# KiCad board dsp-amplifier-x4.kicad_pcb (continued)
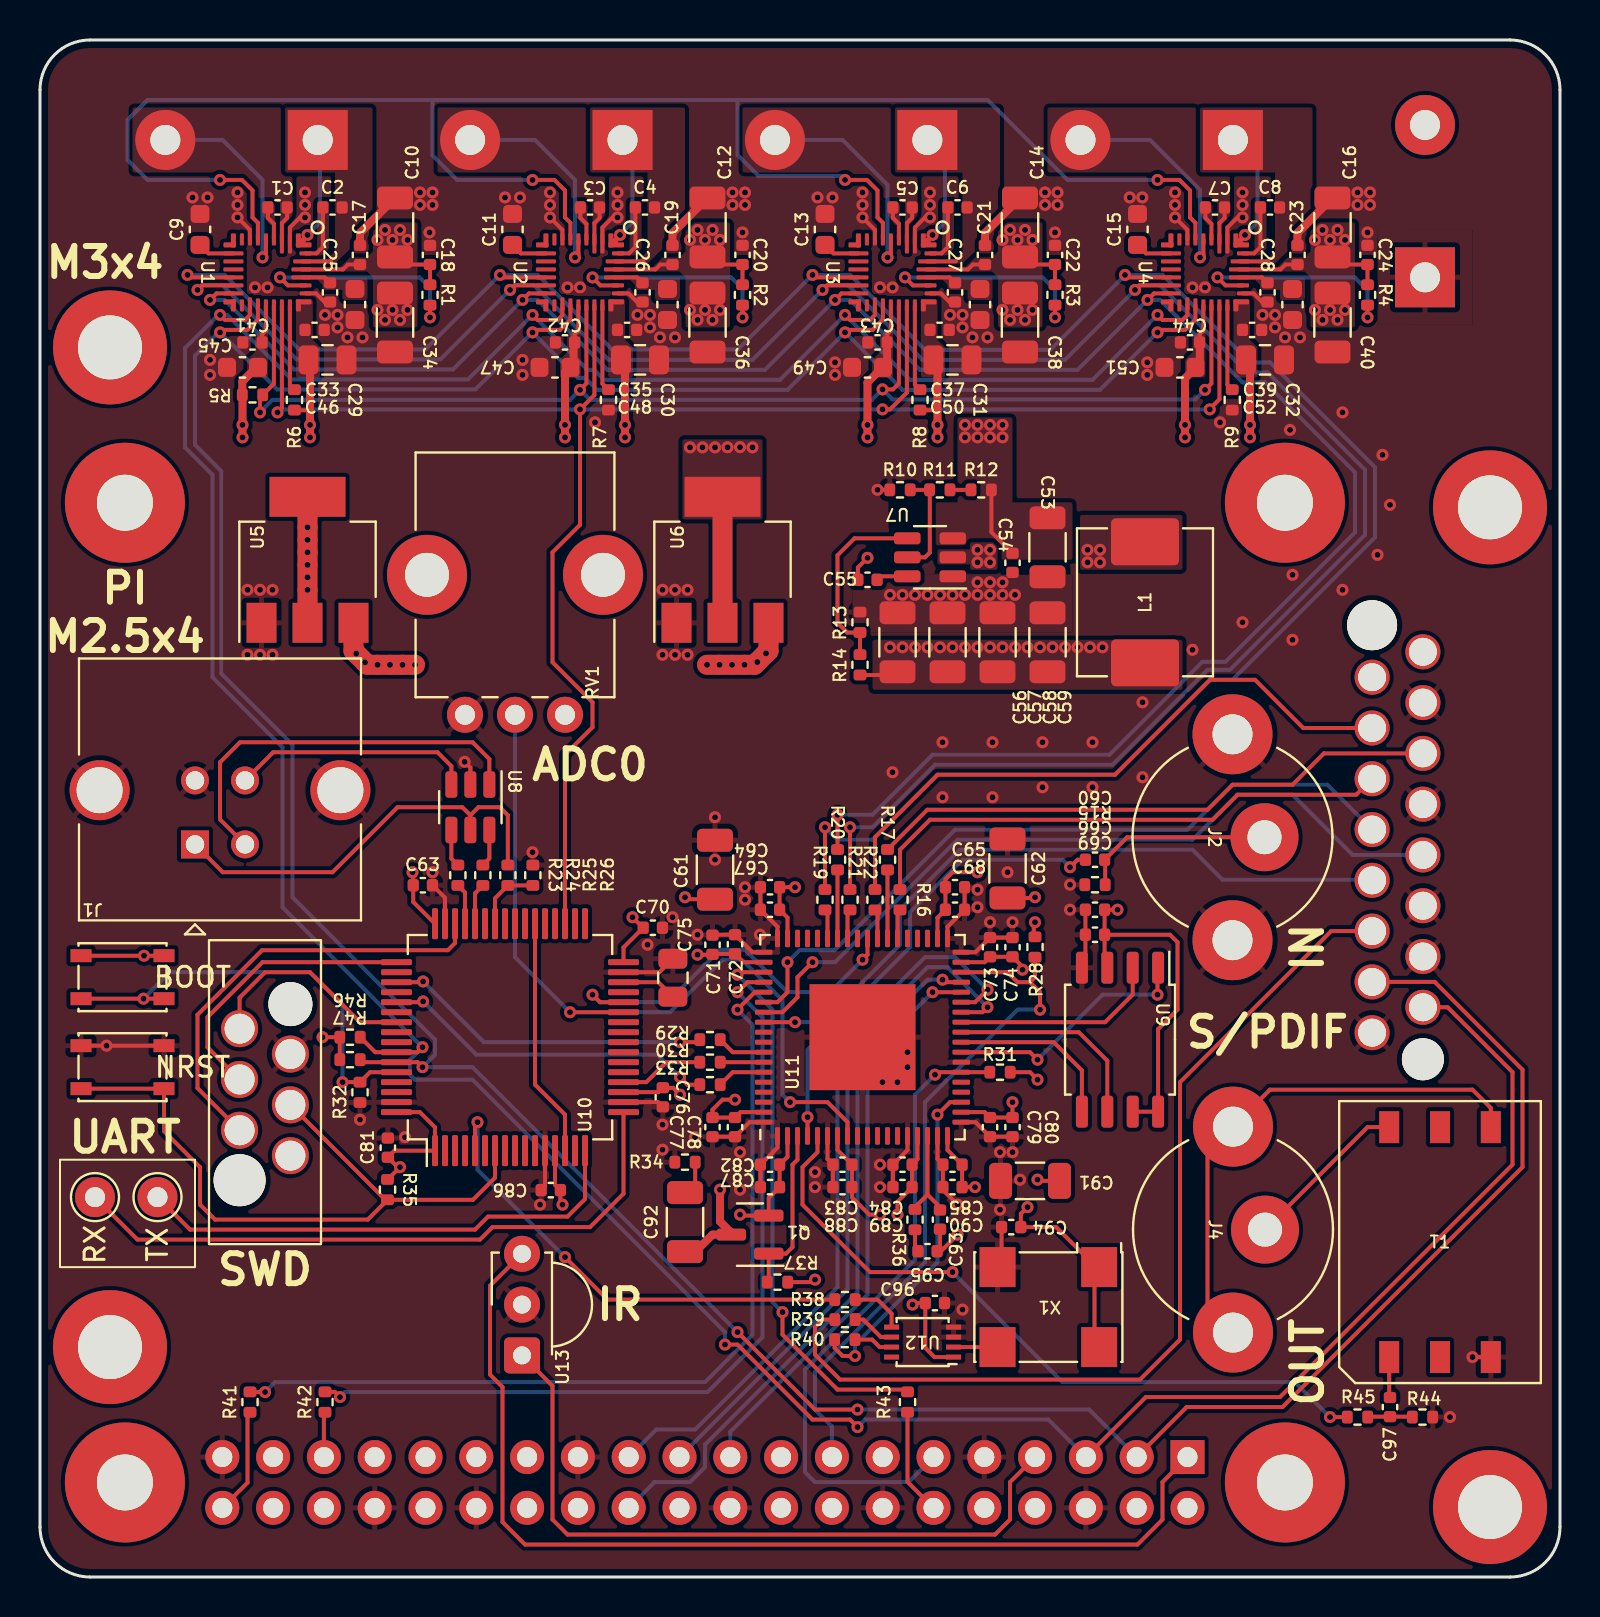
[diagram p0: board, top side]
## Nets
+1V8: C33.1 C35.1 C37.1 C39.1 C46.1 C48.1 C50.1 C52.1 R6.1 R8.1 U1.24 U2.24 U3.24 U4.24 U6.2
+3.3V: C41.1 C42.1 C43.1 C44.1 C45.1 C47.1 C49.1 C51.1 C61.1 C62.1 C63.1 C65.1 C66.1 C68.1 C69.1 C70.1 C71.1 C72.1 C76.1 C81.1 C82.1 C83.1 C84.1 C85.1 C86.1 C87.1 C88.1 C89.1 C90.1 C91.1 C93.1 C94.1 C95.1 C96.1 J3.1 J10.1 Q1.2 R5.2 R28.2 R31.2 R35.1 R37.1 R46.2 R47.2 RV1.1 SW1.2 U1.20 U2.20 U3.20 U4.20 U5.2 U9.3 U9.7 U9.8 U10.1 U10.13 U10.19 U10.32 U10.48 U10.64 U11.2 U11.7 U11.15 U11.18 U11.38 U11.56 U12.1 X1.1 X1.4
+5V: C56.1 C57.1 C58.1 C59.1 J10.2 J11.2 J11.4 L1.1 R14.1 U5.3 U6.3
/Amplifiers/I2S-AMP-2CH-A/VBAT: C28.1 C32.1 U4.27
/Amplifiers/I2S-AMP-2CH-B/VBAT: C27.1 C31.1 U3.27
/Amplifiers/I2S-AMP-2CH-C/VBAT: C26.1 C30.1 U2.27
/Amplifiers/I2S-AMP-2CH-D/VBAT: C25.1 C29.1 U1.27
/DVDD: C64.1 C67.1 C73.1 C74.1 C77.1 C78.1 C79.1 C80.1 C92.1 Q1.3 U11.20 U11.35 U11.53 U11.71
GND: C9.2 C10.2 C11.2 C12.2 C13.2 C14.2 C15.2 C16.2 C17.2 C18.1 C19.2 C20.1 C21.2 C22.1 C23.2 C24.1 C25.2 C26.2 C27.2 C28.2 C29.2 C30.2 C31.2 C32.2 C33.2 C34.2 C35.2 C36.2 C37.2 C38.2 C39.2 C40.2 C41.2 C42.2 C43.2 C44.2 C45.2 C46.2 C47.2 C48.2 C49.2 C50.2 C51.2 C52.2 C53.2 C54.2 C56.2 C57.2 C58.2 C59.2 C61.2 C62.2 C63.2 C64.2 C65.2 C66.2 C67.2 C68.2 C69.2 C70.2 C71.2 C72.2 C73.2 C74.2 C75.2 C76.2 C77.2 C78.2 C79.2 C80.2 C81.2 C82.2 C83.2 C84.2 C85.2 C86.2 C87.2 C88.2 C89.2 C90.2 C91.2 C94.2 C96.2 J1.4 J1.5 J2.2 J3.5 J9.1 J10.3 J10.7 J10.11 J10.13 J10.16 J11.6 J11.9 J11.14 J11.20 J11.25 J11.30 J11.34 J11.39 R7.1 R9.1 R10.1 R13.2 R15.2 R26.2 R32.1 R34.1 R44.2 RV1.3 SW2.1 T1.3 U1.2 U1.7 U1.25 U2.2 U2.7 U2.25 U3.2 U3.7 U3.25 U4.2 U4.7 U4.25 U5.1 U6.1 U7.1 U8.2 U9.4 U10.12 U10.18 U10.31 U10.47 U10.63 U11.1 U11.6 U11.14 U11.17 U11.19 U11.25 U11.36 U11.37 U11.54 U11.55 U11.72 U11.73 U12.3 U12.4 U13.2 X1.2
VBUS: J1.1 R25.2 U8.5
/_AMP1_BCLK: R20.2 U11.48
/_AMP1_LRCLK: R21.2 U11.47
/_AMP1_SDIN: R19.2 U11.49
/_EXT_BCLKO: R16.2 U11.42
/_EXT_LRCLKO: R17.2 U11.43
/_EXT_MDO: R22.2 U11.44
/_PI_BCLK: J11.12 R43.1
/_PI_LRCLK: J11.35 R42.1
/_PI_SDATA_O: J11.40 R41.1
/AMP1_BCLK: R20.1 U1.15 U2.15 U3.15 U4.15
/AMP1_LRCLK: R21.1 U1.14 U2.14 U3.14 U4.14
/AMP1_SDIN: R19.1 U1.13 U2.13 U3.13 U4.13
/Amplifiers/ADDRA: R9.2 U4.23
/Amplifiers/ADDRB: R8.2 U3.23
/Amplifiers/ADDRC: R7.2 U2.23
/Amplifiers/ADDRD: R6.2 U1.23
/Amplifiers/I2S-AMP-2CH-A/SKP_OUTA+: C7.1 J5.2 U4.3 U4.5
/Amplifiers/I2S-AMP-2CH-A/SKP_OUTA-: C8.2 J5.1 U4.1 U4.29
/Amplifiers/I2S-AMP-2CH-B/SKP_OUTA+: C5.1 J6.2 U3.3 U3.5
/Amplifiers/I2S-AMP-2CH-B/SKP_OUTA-: C6.2 J6.1 U3.1 U3.29
/Amplifiers/I2S-AMP-2CH-C/SKP_OUTA+: C3.1 J7.2 U2.3 U2.5
/Amplifiers/I2S-AMP-2CH-C/SKP_OUTA-: C4.2 J7.1 U2.1 U2.29
/Amplifiers/I2S-AMP-2CH-D/SKP_OUTA+: C1.1 J8.2 U1.3 U1.5
/Amplifiers/I2S-AMP-2CH-D/SKP_OUTA-: C2.2 J8.1 U1.1 U1.29
/Amplifiers/ICC: U1.6 U2.6 U3.6 U4.6
/Amplifiers/IRQZ: R5.1 U1.21 U2.21 U3.21 U4.21
/Amplifiers/NSPK_SD: U1.22 U2.22 U3.22 U4.22 U10.35
/Clock/CLK0: R38.2 U12.5
/Clock/CLK1: R39.2 U12.6
/Clock/CLK2: R40.2 U12.7
/Clock/CLK3: U12.8
/DSP_CLOCK: R40.1 U11.21
/DSP_NRESET: J11.11 R31.1 U11.24
/DSP_SELFBOOT: J11.15 R28.1 U11.34
/DSP_STATUS: U10.28 U11.45
/EEPROM_MISO: U9.2 U11.29
/EEPROM_MOSI: U9.5 U11.27
/EEPROM_NCS: U9.1 U11.26
/EEPROM_SCK: U9.6 U11.28
/EXT_BCLKI: J10.8 U11.60
/EXT_BCLKO: J10.6 R16.1
/EXT_CLOCK: J10.12 R39.1
/EXT_LRCLKI: J10.9 U11.61
/EXT_LRCLKO: J10.5 R17.1
/EXT_MDI: J10.10 U11.62
/EXT_MDO: J10.4 R22.1
/IR_INPUT: J11.7 U13.1
/MCU/BOOT0: R32.2 SW1.1 U10.60
/MCU/I2S3_SCK: R29.2 U10.51
/MCU/I2S3_SD: R33.2 U10.53
/MCU/I2S3_WS: R30.2 U10.20
/MCU/NRST: J3.3 R35.2 SW2.2 U10.7
/MCU/SWO: J3.6 U10.55
/MCU/TCK: J3.4 U10.49
/MCU/TIM2_ETR: U10.14 U10.38
/MCU/TMS: J3.2 U10.46
/MCU/USART2_RX: TP1.1 U10.17
/MCU/USART2_TX: TP2.1 U10.16
/MCU/USB_DM: R24.2 U10.44
/MCU/USB_DP: R23.2 U10.45
/MCU/USB_SOF: U10.41
/MCU/USB_VBUS: R25.1 R26.1 U10.42
/MCU_CLOCK: R38.1 U10.5
/PI_BCLK: R43.2 U11.57
/PI_LRCLK: R42.2 U11.58
/PI_MISO0: J11.21 U11.30
/PI_MOSI0: J11.19 U11.32
/PI_NCE0: J11.24 U11.33
/PI_SCL: J10.15 J11.5 R46.1 U1.18 U2.18 U3.18 U4.18 U10.58
/PI_SCLK0: J11.23 U11.31
/PI_SDA: J10.14 J11.3 R47.1 U1.19 U2.19 U3.19 U4.19 U10.59
/PI_SDATA_I: J11.38
/PI_SDATA_O: R41.2 U11.59
/Power/FB_5V0: R13.1 R14.2 U7.4
/SPDIF_IN: C60.2 U11.4
/SPDIF_OUT: R45.1 U11.5
/USB_BCLK: R29.1 U11.65
/USB_LRCLK: R30.1 U11.66
/USB_SDATA: R33.1 U11.67
/VDRIVE: Q1.1 R37.2 U11.3
/VPOT0: RV1.2 U10.27 U11.8
PI_3V3: J11.1 U13.3
VPP: C10.1 C12.1 C14.1 C16.1 C17.1 C18.2 C19.1 C20.2 C21.1 C22.2 C23.1 C24.2 C34.1 C36.1 C38.1 C40.1 C53.1 C54.1 J9.2 R1.1 R2.1 R3.1 R4.1 R12.2 U1.28 U2.28 U3.28 U4.28 U7.3
Net-(C1-Pad2): C1.2 U1.4
Net-(C2-Pad1): C2.1 U1.30
Net-(C3-Pad2): C3.2 U2.4
Net-(C4-Pad1): C4.1 U2.30
Net-(C5-Pad2): C5.2 U3.4
Net-(C6-Pad1): C6.1 U3.30
Net-(C7-Pad2): C7.2 U4.4
Net-(C8-Pad1): C8.1 U4.30
Net-(C9-Pad1): C9.1 U1.10
Net-(C11-Pad1): C11.1 U2.10
Net-(C13-Pad1): C13.1 U3.10
Net-(C15-Pad1): C15.1 U4.10
Net-(C55-Pad1): C55.1 L1.2 U7.2
Net-(C55-Pad2): C55.2 U7.6
Net-(C60-Pad1): C60.1 J2.1 R15.1
Net-(C75-Pad1): C75.1 U10.30
Net-(C92-Pad2): C92.2 R34.2
Net-(C93-Pad2): C93.2 R36.1 U11.16
Net-(C95-Pad2): C95.2 R36.2
Net-(C97-Pad1): C97.1 R44.1 R45.2
Net-(C97-Pad2): C97.2 T1.1
Net-(J1-Pad2): J1.2 U8.1
Net-(J1-Pad3): J1.3 U8.3
Net-(J4-Pad1): J4.1 T1.6
Net-(J4-Pad2): J4.2 T1.4
Net-(R1-Pad2): R1.2 U1.26
Net-(R2-Pad2): R2.2 U2.26
Net-(R3-Pad2): R3.2 U3.26
Net-(R4-Pad2): R4.2 U4.26
Net-(R10-Pad2): R10.2 R11.1 U7.5
Net-(R11-Pad2): R11.2 R12.1
Net-(R23-Pad1): R23.1 U8.4
Net-(R24-Pad1): R24.1 U8.6
Net-(U12-Pad2): U12.2 X1.3

Pads without a net: H1 1; H2 1; H3 1; H4 1; J11 8 10 13 16 17 18 22 26 27 28 29 31 32 33 36 37 41; T1 2 5; U1 8 9 11 12 16 17; U2 8 9 11 12 16 17; U3 8 9 11 12 16 17; U4 8 9 11 12 16 17; U10 2 3 4 6 8 9 10 11 15 21 22 23 24 25 26 29 33 34 36 37 39 40 43 50 52 54 56 57 61 62; U11 9 10 11 12 13 22 23 39 40 41 46 50 51 52 63 64 68 69 70

## Via types
v1: diameter 0.6, hole 0.3, Top to Bottom, 416 vias

## Routing (per net, layer and track width the routed paths; a pad name or vN(x,y) marks a point on that pad's centre or on a via; arc(x,y) is an arc through that point)
+1V8: length 22.7
  Top w0.2: 13.5,58.38 13.48,58.36 12.62,58.36 ; 44,58.36 44.85,58.36 44.88,58.38
  Top w0.4: 60.5,60.69 v1(60.5,57.62) v1(60.5,57) ; v1(13.5,57) v1(13.5,57.62) 13.5,60.69 ; v1(29.25,57) v1(29.25,57.62) 29.25,60.62 ; 44.88,60.67 v1(44.88,57.62) v1(44.88,57)
  Top w1: U6.2 U6.2
  vias: v1(32.5,56.5) v1(33.12,56.5) v1(33.75,56.5) v1(34.37,56.5) v1(35,56.51) v1(35.62,56.5)
+3.3V: length 126.3
  Top w0.2: 17.39,19.89 v1(18,20.5) 17.89,20.5 C81.1 17.72,21.33 U10.1 19.75,22.49 18.99,23.25 17.86,23.25 ; v1(14.12,27) R46.2 R47.2 ; U11.15 43.88,20.89 C84.1 C89.1 42.88,18.77 v1(42.88,18.12) ; v1(49.38,18.5) 49.04,18.17 49.04,17.5 ; v1(26.12,18.62) 26.02,18.73 C86.1 25.75,19.62 25.75,21.29 ; v1(45.88,17.12) 45.05,16.3 44.79,16.3 ; v1(49.88,24.88) 49.5,25.25 R31.2 ; R37.1 38.62,14.75 v1(38.75,14.88) ; U11.56 35.16,30.75 C72.1 33.64,31.17 ; C76.1 30.92,24.25 29.21,24.25 ; v1(42,18.12) 41.46,18.12 40.61,18.98 C88.1 C83.1 39.88,21.36 U11.7 ; U10.48 18.66,33.76 C63.1 18.66,35.21 v1(18.62,35.25) ; 52.73,15.5 52.73,11.5 ; C62.1 49.71,33.96 v1(49.75,34) ; U10.32 29.18,31.49 C70.1 ; 33.58,33.9 32.35,33.9 v1(32.25,34) ; 50.91,19.81 49.94,19.81 v1(49.88,19.88) ; SW1.2 v1(5.2,31.08) SW1.2 ; 31.16,24.47 31.66,24.47 v1(32,24.12) ; v1(49.75,32.75) 49.69,32.69 49.69,32.02 ; v1(53.88,33.38) C66.1 C69.1 ; v1(32.88,31.12) 33.61,31.12 ; C43.1 42.36,62.16 42.55,62.35 U3.20 ; v1(46.88,35.25) 45.62,35.25 45.27,34.89 C65.1 C68.1 44.88,32.98 U11.38 ; C69.1 53.23,30.61 ; C69.1 56.5,32.12 56.88,31.75 56.88,28.38 55.91,27.41 U9.8 U9.7 ; U1.20 11.3,62.35 11.1,62.16 C41.1 ; 30.15,32.47 v1(29.62,33) ; v1(35,18.12) 35.05,18.08 Q1.2 36.44,18.96 C87.1 C82.1 37.38,21.02 U11.2 ; C42.1 26.73,62.16 26.92,62.35 U2.20 ; 52.73,15.58 50.81,17.5 C94.1 ; v1(46.75,19.5) C90.1 C85.1 45.38,21.36 U11.18 ; U4.20 58.17,62.35 57.98,62.16 C44.1 ; v1(43.62,13.62) 43.7,13.7 C96.1 44.27,11.45 44.72,11 U12.1 ; C93.1 45,16.44
  Top w0.4: 57.79,60.49 57.25,59.95 v1(57.25,57.62) v1(57.25,57) ; v1(26.25,57) v1(26.25,57.62) 26.25,60.26 26.68,60.69 26.68,61.74 ; 10.8,60.49 10.12,59.8 R5.2 ; 42.36,60.69 42.36,61.74 ; v1(41.38,57) v1(41.38,57.62) 41.38,59.75 42.12,60.49 ; 57.99,60.69 57.99,61.74 ; 10.12,59.11 v1(10.12,57.62) v1(10.12,57)
  Top w1: U5.2 v1(13.38,49.38) v1(13.38,50.62) v1(13.38,51.25) v1(13.38,51.88) v1(13.38,52.5) U5.2
  vias: v1(13.38,50)
+5V: length 11.2
  Top w0.2: R14.1 42.72,45.11
  Top w1: v1(33.35,45.62) v1(33.98,45.62) v1(34.6,45.62) v1(35.23,45.62) 35.73,45.62 v1(35.86,45.76) v1(36.3,46.2) 36.42,46.33 U6.3 ; U5.3 15.68,46.33 v1(15.81,46.19) v1(16.25,45.75) 16.38,45.62 v1(16.88,45.62) v1(17.5,45.62) v1(18.12,45.62) v1(18.75,45.62)
  vias: v1(42.5,46.5) v1(43.12,46.5) v1(43.75,46.5) v1(44.38,46.5) v1(45,46.5) v1(45.62,46.5) v1(46.25,46.5) v1(46.88,46.5) v1(47.5,46.5) v1(48.12,46.5) v1(48.75,46.5) v1(49.38,46.5) v1(50,46.5) v1(50.62,46.5) v1(51.25,46.5) v1(51.88,46.5) v1(52.5,46.5) v1(53.12,46.5)
/Amplifiers/I2S-AMP-2CH-A/VBAT: length 1.5
  Top w0.2: U4.27 61.11,65 C28.1
/Amplifiers/I2S-AMP-2CH-B/VBAT: length 1.5
  Top w0.2: C27.1 45.48,65 U3.27
/Amplifiers/I2S-AMP-2CH-C/VBAT: length 1.5
  Top w0.2: C26.1 29.86,65 U2.27
/Amplifiers/I2S-AMP-2CH-D/VBAT: length 1.5
  Top w0.2: U1.27 14.23,65 C25.1
/DVDD: length 21.7
  Top w0.2: U11.35 47.23,30.75 47.5,31.02 C74.1 49.12,30.52 v1(49.12,30.38) ; v1(37.75,34.5) 36.92,34.5 ; v1(34.75,23.88) 34.12,23.88 33.62,23.38 C77.1 C78.1 35.02,23.25 U11.71 ; C64.1 C67.1 37.38,32.98 U11.53 ; Q1.3 33.5,17.12 32.65,16.28 ; v1(48.62,23.75) C80.1 47.5,22.98 47.23,23.25 U11.20
  Top w0.4: v1(34,19.38) 34,17.78 34.56,17.22 ; Q1.3 33.62,17.12 32.77,16.28
GND: length 80.1
  Top w0.2: C89.2 C84.2 43.38,21.36 U11.14 ; U11.17 44.88,20.89 C85.2 C90.2 ; U11.72 35.48,22.75 C78.2 C77.2 ; C94.2 48.08,15.94 ; C75.2 30.97,30.25 29.21,30.25 ; U1.2 12.5,67.5 13,68 v1(13.25,68) ; v1(60.12,68) 59.88,68 59.37,67.5 U4.2 ; C74.2 C73.2 46.77,31.25 U11.36 ; U11.6 39.38,20.89 C83.2 C88.2 ; 33.64,32.12 C72.2 35.62,31.25 U11.55 ; 29.21,23.75 30.91,23.75 C76.2 ; SW2.1 v1(3.33,26.58) SW2.1 ; U11.1 36.88,21.48 C82.2 C87.2 ; U1.7 10.5,67.38 v1(9.88,68) ; C25.2 14.23,63.77 13.8,64.2 U1.25 ; C86.2 25.25,19.54 25.25,21.29 ; 52.27,30.65 C69.2 C66.2 ; v1(28.88,68) 28.62,68 28.12,67.5 U2.2 ; R10.1 v1(41.88,54.38) ; U3.25 45.05,64.2 45.48,63.77 C27.2 ; C65.2 C68.2 45.38,32.52 U11.37 ; v1(21.23,40.77) 21.52,40.48 21.52,39.61 ; C63.2 20.25,33.97 20.25,32.71 ; U11.19 46.77,22.75 C79.2 C80.2 ; C26.2 29.86,63.77 29.43,64.2 U2.25 ; U2.7 26.12,67.38 v1(25.5,68) ; T1.3 v1(71.62,11) ; U4.25 60.67,64.2 61.11,63.77 C28.2 ; U3.7 41.75,67.38 v1(41.12,68) ; C64.2 C67.2 36.88,32.52 U11.54 ; v1(45.88,18.62) 45.15,19.36 ; U3.2 43.75,67.5 44.25,68 v1(44.5,68) ; v1(56.75,68) 57.37,67.38 U4.7
  Top w0.4: C14.2 47.25,67.22 47.25,66.61 ; C10.2 16,67.22 C17.2 ; C16.2 62.88,67.22 C23.2 ; C12.2 31.62,67.22 C19.2
  vias: v1(7.62,69) v1(8.38,69) v1(8.5,60.88) v1(8.5,60.12) v1(9.88,69.25) v1(9.88,68.62) v1(10.38,49.38) v1(10.38,46.12) v1(10.75,64.5) v1(11,49.38) v1(11,46.12) v1(11.38,64.5) v1(11.62,49.38) v1(11.62,46.12) v1(13.25,69.25) v1(13.25,68.62) v1(14.25,63.12) v1(14.88,63.12) v1(14.88,62.5) v1(15.38,62) v1(16,22.88) v1(16.12,62) v1(18.25,22) v1(19,69.25) v1(19,68.62) v1(19.47,67.25) v1(19.62,69.25) v1(19.62,68.62) v1(19.62,35.25) v1(23.25,69) v1(24,69) v1(24.12,60.88) v1(24.12,60.12) v1(24.62,36.25) v1(25,18.62) v1(25.5,69.25) v1(25.5,68.62) v1(26.38,64.5) v1(27,64.5) v1(27.75,57.75) v1(28.88,69.25) v1(28.88,68.62) v1(29.88,63.12) v1(30.38,31.62) v1(30.5,63.12) v1(30.5,62.5) v1(31,62) v1(31.12,49.38) v1(31.12,46.12) v1(31.12,22.62) v1(31.12,21.38) v1(31.62,33) v1(31.75,62) v1(31.75,49.38) v1(31.75,46.12) v1(32.38,49.38) v1(32.38,46.12) v1(32.75,22) v1(32.88,32.12) v1(33.75,38) v1(33.75,35.88) v1(34.62,69.25) v1(34.62,68.62) v1(35,21.25) v1(35,19.38) v1(35.12,67.25) v1(35.25,69.25) v1(35.25,68.62) v1(35.25,34.5) v1(35.25,33.88) v1(36,32.12) v1(38.75,20.25) v1(38.75,19.5) v1(38.88,69) v1(39.62,69) v1(39.75,60.75) v1(39.75,60.12) v1(41.12,69.25) v1(41.12,68.62) v1(42,64.5) v1(42,20.62) v1(42,19.5) v1(42.12,24.75) v1(42.5,49.12) v1(42.62,64.5) v1(42.62,40.25) v1(42.88,24.75) v1(43.12,49.12) v1(43.38,26.25) v1(43.38,25.5) v1(43.75,49.12) v1(44.38,49.12) v1(44.5,69.25) v1(44.5,68.62) v1(45,49.12) v1(45.12,41.75) v1(45.12,39) v1(45.5,63.12) v1(45.62,49.12) v1(46.12,63.12) v1(46.12,62.5) v1(46.12,13.38) v1(46.25,49.12) v1(46.62,62) v1(46.88,49.75) v1(46.88,49.12) v1(46.88,34.38) v1(46.88,33.5) v1(47.38,62) v1(47.5,49.75) v1(47.5,49.12) v1(47.5,32.75) v1(47.62,41.75) v1(47.62,39) v1(48,21.25) v1(48,18.38) v1(48.12,49.75) v1(48.12,49.12) v1(48.38,35.25) v1(48.62,32.75) v1(48.62,21.25) v1(48.75,49.12) v1(49,19.88) v1(50.12,41.75) v1(50.12,39.5) v1(50.25,69.25) v1(50.25,68.62) v1(50.75,67.25) v1(50.88,69.25) v1(50.88,68.62) v1(51.5,34.62) v1(51.5,33.38) v1(52.62,41.75) v1(52.62,39.5) v1(54.49,69) v1(55.11,69) v1(55.12,43.75) v1(55.12,40) v1(55.36,60.75) v1(55.36,60.12) v1(56.75,69.25) v1(56.75,68.62) v1(57.62,64.5) v1(57.62,46.38) v1(58.25,64.5) v1(59,57.75) v1(60.12,69.25) v1(60.12,68.62) v1(60.12,47.75) v1(61.12,63.12) v1(61.75,63.12) v1(61.75,62.5) v1(62.25,62) v1(62.5,57.38) v1(62.62,50.12) v1(62.62,46.88) v1(63,62) v1(65.12,58.25) v1(65.12,49.38) v1(65.88,69.25) v1(65.88,68.62) v1(66.38,67.25) v1(66.5,69.25) v1(66.5,68.62) v1(66.88,51.12) v1(67.12,56.12) v1(67.5,53.62) v1(70.5,8)
VBUS: length 21.3
  Top w0.2: J1.1 9.14,35.25 14.62,35.25 17.88,38.5 21.12,38.5 21.52,38.1 ; R25.2 23.39,38.1 22.99,38.5 21.92,38.5 21.52,38.1 ; 21.52,38.1 21.52,37.34
/_AMP1_BCLK: length 3.4
  Top w0.2: U11.48 R20.2
/_AMP1_LRCLK: length 1.3
  Top w0.2: U11.47 40.38,33.24
/_AMP1_SDIN: length 1.3
  Top w0.2: U11.49 39.38,33.24
/_EXT_BCLKO: length 1.3
  Top w0.2: U11.42 42.88,33.24
/_EXT_LRCLKO: length 3.4
  Top w0.2: R17.2 U11.43
/_EXT_MDO: length 1.3
  Top w0.2: U11.44 41.88,33.24
/_PI_BCLK: length 5.3
  Top w0.2: R43.1 43.38,4.76 44.67,3.46
/_PI_LRCLK: length 2.2
  Top w0.2: 14.2,8.19 J11.35
/_PI_SDATA_O: length 5.2
  Top w0.2: 10.38,8.11 10.38,4.72 9.12,3.46
/AMP1_BCLK: length 111.2
  Top w0.2: v1(24.12,63.88) 24.45,64.2 U2.15 ; v1(8.5,63.88) 8.83,64.2 U1.15 ; R20.1 v1(39.88,38.12) ; U4.15 55.7,64.2 v1(55.38,63.88) ; v1(39.75,63.88) 40.08,64.2 U3.15
  Bottom w0.2: 51.89,60.38 44,60.38 40.5,63.88 v1(39.75,63.88) 36.25,60.38 28.38,60.38 24.88,63.88 v1(24.12,63.88) 20.65,60.4 12.73,60.4 ; 12.7,60.4 9.22,63.88 v1(8.5,63.88) ; v1(39.88,38.12) 41.62,38.12 44.62,41.12 53.47,41.12 58.12,45.78 59.27,45.78 65.75,52.25 65.75,55.25 61.25,59.75 60.12,59.75 56,63.88 v1(55.38,63.88) 51.88,60.38
/AMP1_LRCLK: length 117.3
  Top w0.2: U2.14 23.73,64.6 v1(23.5,64.38) ; R21.1 v1(40.5,37.5) ; U4.14 54.98,64.6 v1(54.75,64.38) ; U3.14 39.35,64.6 v1(39.12,64.38) ; U1.14 8.1,64.6 v1(7.88,64.38)
  Bottom w0.2: v1(40.5,37.5) 41.62,37.5 44.75,40.62 53.62,40.62 58.38,45.38 59.5,45.38 66.25,52.12 66.25,55.38 61.38,60.25 60.35,60.25 55.97,64.62 55,64.62 v1(54.75,64.38) 51.25,60.88 44.12,60.88 40.38,64.62 39.38,64.62 v1(39.12,64.38) 35.62,60.88 28.44,60.88 24.69,64.62 23.75,64.62 v1(23.5,64.38) 20.02,60.9 12.82,60.9 9.1,64.62 8.12,64.62 v1(7.88,64.38)
/AMP1_SDIN: length 122.7
  Top w0.2: v1(39.25,37.5) R19.1 ; v1(23,65.12) 23.12,65 U2.13 ; v1(54.25,65.12) 54.38,65 U4.13 ; v1(7.38,65.12) 7.5,65 U1.13 ; U3.13 38.75,65 v1(38.62,65.12)
  Bottom w0.2: v1(39.25,37.5) 39.88,36.88 41.62,36.88 44.88,40.12 53.75,40.12 58.5,44.88 59.62,44.88 66.75,52 66.75,55.5 61.5,60.75 60.5,60.75 56.12,65.12 v1(54.25,65.12) 54.25,65.11 50.51,61.38 44.25,61.38 40.5,65.12 v1(38.62,65.12) 34.9,61.4 28.6,61.4 24.88,65.12 v1(23,65.12) 19.27,61.4 12.95,61.4 9.22,65.12 v1(7.38,65.12)
/Amplifiers/ADDRA: length 4.3
  Top w0.2: R9.2 59.37,59.63 U4.23
/Amplifiers/ADDRB: length 4.3
  Top w0.2: R8.2 43.75,59.64 U3.23
/Amplifiers/ADDRC: length 4.3
  Top w0.2: U2.23 28.12,59.69 R7.2
/Amplifiers/ADDRD: length 4.3
  Top w0.2: U1.23 12.5,59.61 R6.2
/Amplifiers/I2S-AMP-2CH-A/SKP_OUTA+: length 13.3
  Top w0.2: C7.1 59.23,67.98 58.97,67.72 U4.3 ; U4.5 58.17,66.17 v1(58,66)
  Bottom w0.2: J5.2 55.5,71.88 58,69.38 v1(58,66)
/Amplifiers/I2S-AMP-2CH-A/SKP_OUTA-: length 6.1
  Top w0.2: U4.29 61.42,65.8 ; U4.1 59.98,66.85 v1(60.25,67.12) ; 60.06,66.94 U4.1
  Bottom w0.2: 60.88,70.64 60.88,67.75 v1(60.25,67.12)
/Amplifiers/I2S-AMP-2CH-B/SKP_OUTA+: length 13.1
  Top w0.2: v1(42.38,66) 42.55,66.17 U3.5 ; C5.1 43.61,67.98 43.35,67.72 U3.3
  Bottom w0.2: J6.2 40.12,71.88 42.38,69.62 v1(42.38,66)
/Amplifiers/I2S-AMP-2CH-B/SKP_OUTA-: length 6.4
  Top w0.2: U3.29 45.8,65.8 ; 44.44,66.94 U3.1 ; U3.1 44.35,66.85 v1(44.62,67.12)
  Bottom w0.2: v1(44.62,67.12) 45.25,67.75 45.25,70.99
/Amplifiers/I2S-AMP-2CH-C/SKP_OUTA+: length 12.8
  Top w0.2: U2.3 27.72,67.72 27.98,67.98 C3.1 ; U2.5 26.92,66.17 v1(26.75,66)
  Bottom w0.2: v1(26.75,66) 26.75,69.88 24.75,71.88 J7.2
/Amplifiers/I2S-AMP-2CH-C/SKP_OUTA-: length 6.8
  Top w0.2: U2.29 30.18,65.8 ; v1(29,67.12) 28.73,66.85 U2.1 ; 28.81,66.94 U2.1
  Bottom w0.2: v1(29,67.12) 29.62,67.75 29.62,71.38
/Amplifiers/I2S-AMP-2CH-D/SKP_OUTA+: length 12.4
  Top w0.2: U1.3 12.1,67.72 12.35,67.98 C1.1 ; U1.5 11.3,66.17 v1(11.12,66)
  Bottom w0.2: J8.2 9.12,71.88 11.12,69.88 v1(11.12,66)
/Amplifiers/I2S-AMP-2CH-D/SKP_OUTA-: length 7.2
  Top w0.2: 13.19,66.94 U1.1 ; U1.29 14.55,65.8 ; U1.1 13.1,66.85 v1(13.38,67.12)
  Bottom w0.2: 14,71.76 14,67.75 v1(13.38,67.12)
/Amplifiers/ICC: length 95.1
  Top w0.2: v1(24.62,69.88) 25.72,69.88 26.25,69.35 26.25,68 26.52,67.73 U2.6 ; U3.6 42.15,67.73 41.88,68 41.88,69.35 41.35,69.88 v1(40.25,69.88) ; U1.6 10.9,67.73 10.62,68 10.62,69.35 10.1,69.88 v1(9,69.88) ; U4.6 57.77,67.73 57.5,68 57.5,69.35 56.97,69.88 v1(55.88,69.88)
  Bottom w0.2: v1(9,69.88) 5.38,69.88 4.38,70.88 4.38,72.88 5.38,73.88 34.88,73.88 ; v1(40.25,69.88) 40.05,70.08 35.92,70.08 34.88,71.12 34.88,73.88 ; v1(24.62,69.88) 20.86,69.88 19.62,71.11 19.62,73.88 ; v1(55.88,69.88) 51.38,69.88 47.38,73.88 34.88,73.88
/Amplifiers/IRQZ: length 67.8
  Top w0.2: U3.21 42.95,59.7 42.65,59.4 v1(42.12,59.4) ; v1(11,58.25) 11,58.99 11.7,59.69 U1.21 ; U4.21 58.57,59.7 v1(58.25,59.38) ; v1(27,59.38) 27.32,59.7 U2.21
  Bottom w0.2: 57.79,58.9 42.62,58.9 v1(42.12,59.4) 41.6,58.88 27.5,58.88 v1(27,59.38) 26.5,58.88 11.62,58.88 v1(11,58.25) ; 57.77,58.9 v1(58.25,59.38)
/Amplifiers/NSPK_SD: length 96.8
  Top w0.2: v1(42.12,58.4) 42.5,58.4 43.35,59.25 U3.22 ; U1.22 12.1,58.47 v1(11.88,58.25) ; U2.22 27.72,59.12 v1(27,58.4) 27,52.62 25.62,51.25 25.62,45.75 27.62,43.75 27.62,42.5 26.25,41.12 U10.35 ; U4.22 58.97,58.9 58.49,58.42 v1(58.49,58.4)
  Bottom w0.2: 12.02,58.4 v1(11.88,58.25) ; 11.9,58.4 v1(27,58.4) v1(42.12,58.4) 58.5,58.4 ; 11.97,58.4 12,58.38
/Clock/CLK0: length 2.8
  Top w0.2: U12.5 42.58,13.17 41.88,13.88 R38.2
/Clock/CLK1: length 2.2
  Top w0.2: U12.6 42.05,12 41.17,12.88 R39.2
/Clock/CLK2: length 2
  Top w0.2: R40.2 41.61,11.88 41.98,11.5 U12.7
/DSP_CLOCK: length 16.8
  Top w0.2: v1(44.88,23.12) 45.5,23.75 46,23.75 ; v1(40.75,11.06) 40.13,11.06 39.73,11.46 R40.1
  Bottom w0.2: v1(44.88,23.12) 44.88,15.75 40.75,11.62 v1(40.75,11.06)
/DSP_NRESET: length 32.5
  Top w0.2: R31.1 U11.24 44.88,25.25 v1(44.75,25.12)
  Bottom w0.2: v1(44.75,25.12) 43.75,24.12 43.75,15.88 38.25,10.38 38.25,5.25 38.75,4.75 43.42,4.75 J11.11
/DSP_SELFBOOT: length 34.6
  Top w0.2: R28.1 49.75,30 49.5,29.75 ; 49.5,29.75 50,29.25 v1(50,28.38) ; 49.5,29.75 48.88,29.75 48.38,30.25 U11.34
  Bottom w0.2: J11.15 39.59,7.53 38.75,8.38 38.75,10.25 44.25,15.75 44.25,23.75 48.88,28.38 v1(50,28.38)
/DSP_STATUS: length 19.2
  Top w0.2: v1(27.62,29.12) 28,28.75 U10.28 ; v1(41.12,30.88) 41.38,31.12 U11.45
  Bottom w0.2: v1(27.62,29.12) 28,28.75 31.38,28.75 34,31.38 35.25,31.38 37.38,29.25 39.5,29.25 v1(41.12,30.88)
/EEPROM_MISO: length 10.5
  Top w0.2: U9.2 54.63,29.14 53.25,27.75 U11.29
/EEPROM_MOSI: length 8.7
  Top w0.2: U9.5 52.09,25.34 50.69,26.75 46,26.75
/EEPROM_NCS: length 12.6
  Top w0.2: U11.26 49.5,26.25 v1(49.88,25.88) ; v1(55.88,29.12) 55.88,30.44
  Bottom w0.2: v1(55.88,29.12) 53.12,29.12 v1(49.88,25.88)
/EEPROM_SCK: length 10.4
  Top w0.2: U11.28 51.94,27.25 53.37,25.82 U9.6
/EXT_BCLKI: length 36.7
  Top w0.2: v1(37.38,30.75) 37.38,29.25 36.88,28.75 U11.60
  Bottom w0.2: v1(37.38,30.75) 37.98,31.35 39.73,31.35 45.75,37.38 57.38,37.38 59.62,39.62 64.36,39.62 J10.8
/EXT_BCLKO: length 27.1
  Top w0.2: R16.1 43,36.38 44.5,37.88 58.62,37.88 59.88,39.12 65.81,39.12 J10.6
/EXT_CLOCK: length 47.7
  Top w0.2: R39.1 39.12,12.88 38.75,12.5 38.75,11.12 40,9.88 55,9.88 57,11.88 57,24.75 64.56,32.31 J10.12
/EXT_LRCLKI: length 39.3
  Top w0.2: U11.61 37.12,28.25 37.88,29 37.88,30 v1(38.62,30.75)
  Bottom w0.2: v1(38.62,30.75) 39.75,30.75 45.88,36.88 57.62,36.88 59.88,39.12 62.62,39.12 65.64,36.11 J10.9
/EXT_LRCLKO: length 28.8
  Top w0.2: R17.1 44.37,38.38 58.38,38.38 59.62,39.62 62.62,39.62 64.19,41.19 J10.5
/EXT_MDI: length 35.7
  Top w0.2: v1(37.75,27.75) 36.12,27.75
  Bottom w0.2: v1(37.75,27.75) 39.12,27.75 43,31.62 43,33.38 46,36.38 57.62,36.38 59.12,34.88 66.58,34.88
/EXT_MDO: length 31.7
  Top w0.2: J10.4 63.16,42.47 60.75,44.88 58.5,44.88 53.75,40.12 44.88,40.12 41.75,37 R22.1
/IR_INPUT: length 36
  Top w0.2: J11.7 48.5,4.75 48.5,2.88 47.75,2.12 26.38,2.12 25.62,2.88 25.62,9.56 U13.1
/MCU/BOOT0: length 22.1
  Top w0.2: U10.60 16.5,25.25 R32.2 v1(15.12,24.75) ; SW1.1 v1(5.17,28.92) SW1.1
  Bottom w0.2: v1(15.12,24.75) 15.12,28.62 13.5,30.25 6.5,30.25 v1(5.17,28.92)
/MCU/I2S3_SCK: length 16.3
  Top w0.2: 17.86,29.75 19.12,29.75 v1(19.16,29.79) ; v1(32,26.75) 32.87,26.75
  Bottom w0.2: v1(19.16,29.79) 22.19,26.75 v1(32,26.75)
/MCU/I2S3_SD: length 16.9
  Top w0.2: v1(32,25) 32.38,24.62 R33.2 ; v1(19.16,28.79) 19.12,28.75 17.86,28.75
  Bottom w0.2: v1(19.16,28.79) 21.82,26.12 30.88,26.12 v1(32,25)
/MCU/I2S3_WS: length 4.2
  Top w0.2: 29.21,24.75 30.31,24.75 31.31,25.75 R30.2
/MCU/NRST: length 34.7
  Top w0.2: 22.75,21.29 22.75,19.97 21.65,18.86 R35.2 16.39,17.88 8.75,17.88 8,18.62 8,20.5 6.2,22.3 SW2.2 SW2.2 ; 17.27,18.86 J3.3
/MCU/SWO: length 11
  Top w0.2: J3.6 9.98,28.98 11.25,30.25 13.5,30.25 16,27.75 17.86,27.75
/MCU/TCK: length 14.4
  Top w0.2: J3.4 8.38,26.49 8.38,28 11.12,30.75 17.86,30.75
/MCU/TIM2_ETR: length 12
  Top w0.2: U10.14 26.25,23.12 24.75,24.62 U10.38
/MCU/TMS: length 22
  Top w0.2: U10.46 20.75,31.71 20.39,31.35 11.1,31.35 7.88,28.12 7.88,24.45 J3.2
/MCU/USART2_RX: length 32.3
  Top w0.2: U10.17 29.18,19.17 27.5,17.5 22.62,17.5 22,16.88 4.88,16.88 TP1.1
/MCU/USART2_TX: length 25.1
  Top w0.2: 27.25,21.29 27.25,18.9 26.37,18.03 22.4,18.03 21.75,17.38 7.5,17.38 TP2.1
/MCU/USB_DM: length 2
  Top w0.2: R24.2 21.75,34.2 21.75,32.71
/MCU/USB_DP: length 2
  Top w0.2: R23.2 21.25,34.23 21.25,32.71
/MCU/USB_VBUS: length 3.4
  Top w0.2: 22.75,32.71 22.75,33.95 R25.1 R26.1
/MCU_CLOCK: length 24.4
  Top w0.2: R38.1 28.38,13.88 v1(26.25,16) ; 21.75,21.36 21.75,22.62 v1(21.88,22.75)
  Bottom w0.2: v1(21.88,22.75) 21.88,20.38 v1(26.25,16)
/PI_BCLK: length 27.5
  Top w0.2: v1(37.12,13.25) 37.12,12.12 39.88,9.38 43.26,9.38 ; v1(34.88,30.12) 35,30.25 36.12,30.25
  Bottom w0.2: v1(34.88,30.12) 36.62,28.38 36.62,13.75 v1(37.12,13.25)
/PI_LRCLK: length 42.5
  Top w0.2: R42.2 14.74,9.26 v1(15,9) ; v1(34.88,29.25) 35.38,29.75 36.12,29.75
  Bottom w0.2: v1(15,9) 15.25,9.25 33.38,9.25 36.12,12 36.12,28 v1(34.88,29.25)
/PI_MISO0: length 34.9
  Top w0.2: U11.30 47.12,28.25 v1(47.38,28.5)
  Bottom w0.2: J11.21 40.38,14.4 40.38,26.5 44.38,30.5 45.38,30.5 v1(47.38,28.5)
/PI_MOSI0: length 28.8
  Top w0.2: v1(44.62,29.25) 46,29.25
  Bottom w0.2: J11.19 34.52,7.27 41.38,14.12 41.38,26 v1(44.62,29.25)
/PI_NCE0: length 35.3
  Top w0.2: 46,29.75 45.25,29.75 v1(45.12,29.88)
  Bottom w0.2: 29.43,3.46 30.73,4.75 32.5,4.75 33.25,5.5 33.25,6.62 40.88,14.25 40.88,26.38 44.38,29.88 v1(45.12,29.88)
/PI_SCL: length 191.4
  Top w0.2: v1(55.88,63.12) 56.12,62.88 57.12,62.88 57.37,63.12 U4.18 ; J10.15 70.38,28.5 73.62,25.25 73.62,20.62 62,9 55.3,9 J11.5 ; R46.1 16.76,26.25 U10.58 ; v1(34.25,11.62) 34.88,11.62 38.62,7.88 40.5,7.88 v1(40.88,7.5) ; U1.18 10.5,63.12 10.25,62.88 9.25,62.88 v1(9,63.12) ; U2.18 26.12,63.12 25.88,62.88 24.88,62.88 v1(24.62,63.12) ; v1(40.25,63.12) 40.5,62.88 41.5,62.88 41.75,63.12 U3.18 ; 17.86,26.25 18.88,26.25 v1(19.12,26.5)
  Bottom w0.2: J11.5 50.42,7.88 41.25,7.88 v1(40.88,7.5) ; v1(55.88,63.12) 52.62,59.88 ; v1(34.25,11.62) 34.25,12.25 21.62,24.88 18.75,24.88 18.5,25.12 18.5,25.88 v1(19.12,26.5) 12.12,33.5 12.12,41.5 8.62,45 8.62,55.12 7.25,56.5 7.25,61.46 8.9,63.11 ; 12.57,59.9 9.35,63.12 v1(9,63.12) ; 12.6,59.9 21.4,59.9 v1(24.62,63.12) 27.38,60.38 27.71,60.38 28.21,59.88 37,59.88 v1(40.25,63.12) 43.5,59.88 52.64,59.88
/PI_SCLK0: length 37.6
  Top w0.2: v1(47.38,29.38) 46.75,28.75 U11.31
  Bottom w0.2: J11.23 30.81,7.38 32.75,7.38 39.88,14.5 39.88,26.62 44.25,31 45.75,31 v1(47.38,29.38)
/PI_SDA: length 194.4
  Top w0.2: U10.59 16.14,25.75 ; J10.14 69.73,29.77 74.12,25.38 74.12,20.5 62.12,8.5 57.34,8.5 J11.3 ; U3.19 42.15,62.9 41.62,62.38 40.38,62.38 v1(40.25,62.25) ; v1(24.62,62.25) 24.75,62.38 26,62.38 26.52,62.9 U2.19 ; v1(19.12,25.5) 18.88,25.75 17.86,25.75 ; v1(40.88,8.38) 38.75,8.38 v1(34.88,12.25) ; v1(55.88,62.25) 56,62.38 57.25,62.38 57.77,62.9 U4.19 ; U1.19 10.9,62.9 10.38,62.38 9.12,62.38 v1(9,62.25)
  Bottom w0.2: 8.9,62.24 7.75,61.09 7.75,56.62 9.06,55.31 9.06,45.19 12.62,41.62 12.62,34 19.75,26.88 19.75,26.12 v1(19.12,25.5) 21.62,25.5 v1(34.88,12.25) ; 11.85,59.4 v1(9,62.25) ; v1(55.88,62.25) 53,59.38 ; 53.01,59.38 43.12,59.38 v1(40.25,62.25) 37.38,59.38 27.85,59.38 27.25,59.97 26.9,59.97 v1(24.62,62.25) 21.77,59.4 11.88,59.4 ; v1(40.88,8.38) 52.46,8.38 J11.3
/PI_SDATA_O: length 44.5
  Top w0.2: 36.12,29.25 35.74,29.25 34.88,28.39 v1(34.88,28.38) ; v1(11.25,9.25) 10.51,9.25
  Bottom w0.2: v1(11.25,9.25) 11.75,9.75 33.25,9.75 35.62,12.12 35.62,27.62 v1(34.88,28.38)
/Power/FB_5V0: length 9.6
  Top w0.2: U7.4 40.73,51.95 39.88,51.1 39.88,47.72 40.36,47.24 R13.1 R14.2
/SPDIF_IN: length 23.5
  Top w0.2: C60.2 51.88,35.88 v1(51.5,35.5) ; v1(38.38,23) U11.4
  Bottom w0.2: v1(38.38,23) 38.38,26.38 43.5,31.5 43.5,33.25 46.12,35.88 51.12,35.88 v1(51.5,35.5)
/SPDIF_OUT: length 35.4
  Top w0.2: U11.5 38.88,21.25 38.12,20.5 38.12,18.62 41.5,15.25 v1(45.62,15.25) ; R45.1 v1(64.5,8)
  Bottom w0.2: v1(64.5,8) 62.75,9.75 51.12,9.75 v1(45.62,15.25)
/USB_BCLK: length 2.4
  Top w0.2: R29.1 34.63,26.25 U11.65
/USB_LRCLK: length 2.2
  Top w0.2: R30.1 U11.66
/USB_SDATA: length 2.4
  Top w0.2: R33.1 34.63,25.25 U11.67
/VDRIVE: length 8.3
  Top w0.2: U11.3 37.88,20.88 37.62,20.62 37.62,16.5 37.3,16.17 Q1.1 36.44,14.82
/VPOT0: length 40.5
  Top w0.2: v1(26.5,28.25) U10.27 ; v1(37.5,23.75) 39.38,23.75 40.38,22.75 U11.8
  Bottom w0.2: v1(37.5,23.75) 37.12,24.12 37.12,28.84 35.09,30.88 34.12,30.88 31.5,28.25 v1(26.5,28.25) 23.75,31 RV1.2
PI_3V3: length 52
  Top w0.2: J11.1 56.12,4.75 56.12,2.88 54.88,1.62 24.25,1.62 23.12,2.75 23.12,9.5 22.5,10.12 22.5,14.56 U13.3
VPP: length 25.2
  Top w0.2: 47.57,54.38 47.57,52.26 C54.1 ; R3.1 C22.2 49.38,65.64 ; R2.1 C20.2 33.76,65.64 ; C17.1 15.4,65.64 15.15,65.4 U1.28 ; R1.1 C18.2 18.13,65.64 ; 65,65.64 C24.2 R4.1 ; U3.28 46.4,65.4 46.65,65.64 C21.1 ; C23.1 62.27,65.64 62.02,65.4 U4.28 ; U2.28 30.77,65.4 31.02,65.64 C19.1
  vias: v1(16.88,66.88) v1(16.88,63.38) v1(17.25,67.38) v1(17.25,62.88) v1(17.62,66.88) v1(17.62,63.38) v1(18,67.38) v1(18,62.88) v1(18.38,66.88) v1(18.38,63.38) v1(32.5,66.88) v1(32.5,63.38) v1(32.88,67.38) v1(32.88,62.88) v1(33.25,66.88) v1(33.25,63.38) v1(33.62,67.38) v1(33.62,62.88) v1(34,66.88) v1(34,63.38) v1(46.25,57.62) v1(46.25,57) v1(46.88,57.62) v1(46.88,57) v1(47.5,57.62) v1(47.5,57) v1(48.12,66.88) v1(48.12,63.38) v1(48.12,57.62) v1(48.12,57) v1(48.5,67.38) v1(48.5,62.88) v1(48.88,66.88) v1(48.88,63.38) v1(49.25,67.38) v1(49.25,62.88) v1(49.62,66.88) v1(49.62,63.38) v1(63.75,66.88) v1(63.75,63.38) v1(64.12,67.38) v1(64.12,62.88) v1(64.5,66.88) v1(64.5,63.38) v1(64.88,67.38) v1(64.88,62.88) v1(65.25,66.88) v1(65.25,63.38)
Net-(C1-Pad2): length 1.7
  Top w0.2: U1.4 11.7,67.68 11.4,67.98 C1.2
Net-(C2-Pad1): length 3
  Top w0.2: U1.30 13.83,66.2 14.15,66.52 C2.1
Net-(C3-Pad2): length 1.7
  Top w0.2: C3.2 27.02,67.98 27.32,67.68 U2.4
Net-(C4-Pad1): length 3
  Top w0.2: U2.30 29.45,66.2 29.77,66.52 C4.1
Net-(C5-Pad2): length 1.7
  Top w0.2: U3.4 42.95,67.68 42.64,67.98 C5.2
Net-(C6-Pad1): length 3
  Top w0.2: C6.1 45.4,66.52 45.08,66.2 U3.30
Net-(C7-Pad2): length 1.7
  Top w0.2: U4.4 58.57,67.68 58.27,67.98 C7.2
Net-(C8-Pad1): length 3
  Top w0.2: C8.1 61.02,66.52 60.7,66.2 U4.30
Net-(C9-Pad1): length 1.8
  Top w0.2: C9.1 8.42,66.2 U1.10
Net-(C11-Pad1): length 1.8
  Top w0.2: U2.10 24.05,66.2 C11.1
Net-(C13-Pad1): length 1.8
  Top w0.2: C13.1 39.67,66.2 U3.10
Net-(C15-Pad1): length 1.8
  Top w0.2: U4.10 55.3,66.2 C15.1
Net-(C55-Pad1): length 1.3
  Top w0.2: v1(41.38,50.97) 40.89,50.5 C55.1
  vias: v1(46.88,51.38) v1(46.88,50.75) v1(47.5,51.38) v1(47.5,50.75) v1(52.38,51.38) v1(52.38,50.75) v1(53,51.38) v1(53,50.75)
Net-(C55-Pad2): length 1.3
  Top w0.2: 42.03,50.05 U7.6
Net-(C60-Pad1): length 9.7
  Top w0.2: C60.1 54.36,37 J2.1 ; R15.1 53.26,35.84
Net-(C75-Pad1): length 2.7
  Top w0.2: C75.1 30.92,29.75 29.21,29.75
Net-(C92-Pad2): length 1.7
  Top w0.2: R34.2 32.76,19.73 C92.2
Net-(C93-Pad2): length 4.7
  Top w0.2: 44.38,19.12 43.75,18.5 ; 44.38,19.12 45,18.5 ; 44.38,19.12 U11.16
Net-(C95-Pad2): length 0.9
  Top w0.2: R36.2 43.75,16.44
Net-(C97-Pad1): length 2.2
  Top w0.2: 68.59,8.02 C97.1 66.41,8.02
Net-(C97-Pad2): length 2
  Top w0.2: 67.46,9.02 T1.1
Net-(J1-Pad2): length 20.2
  Top w0.2: J1.2 9,37.89 9,40.75 10,41.75 21.62,41.75 22.47,40.91 22.47,39.61
Net-(J1-Pad3): length 12.1
  Top w0.2: 20.57,39.61 20.57,40.56 19.88,41.25 11.66,41.25 J1.3
Net-(J4-Pad1): length 8.3
  Top w0.2: T1.6 66.38,22.5 J4.1
Net-(J4-Pad2): length 22.7
  Top w0.2: J4.2 61.5,24.38 71.62,24.38 72.54,23.46 T1.4 ; 58.38,21.25 58.38,13.5
Net-(R1-Pad2): length 11.2
  Top w0.2: v1(12,65) 12.4,64.6 U1.26 ; v1(19.5,63) R1.2
  Bottom w0.2: v1(12,65) 18.97,65 19.5,64.47 v1(19.5,63)
Net-(R2-Pad2): length 11.2
  Top w0.2: v1(35.12,63) R2.2 ; v1(27.62,65) 28.02,64.6 U2.26
  Bottom w0.2: v1(27.62,65) 34.55,65 35.12,64.42 v1(35.12,63)
Net-(R3-Pad2): length 11.2
  Top w0.2: v1(43.25,65) 43.65,64.6 U3.26 ; v1(50.75,63) R3.2
  Bottom w0.2: v1(43.25,65) 50.12,65 50.75,64.38 v1(50.75,63)
Net-(R4-Pad2): length 11.2
  Top w0.2: v1(66.38,63) R4.2 ; U4.26 59.27,64.6 v1(58.88,65)
  Bottom w0.2: v1(58.88,65) 65.74,65 66.38,64.36 v1(66.38,63)
Net-(R10-Pad2): length 5.3
  Top w0.2: R10.2 44.49,54.38 44.49,51.24 44.25,51 U7.5
Net-(R11-Pad2): length 1.1
  Top w0.2: R12.1 R11.2
Net-(R23-Pad1): length 1.9
  Top w0.2: R23.1 20.57,35.94 U8.4
Net-(R24-Pad1): length 1.9
  Top w0.2: 22.47,37.34 22.47,35.94 R24.1
Net-(U12-Pad2): length 2
  Top w0.2: U12.2 47.65,11.5

## Copper pours and planes (outline as drawn; the poured copper is in the pictures)
+1V8 on Top: 59.67,63.9 60.5,63.9 60.5,61.88 60.88,61.5 60.88,60 59.67,60
+1V8 on Top: 12.8,63.9 13.62,63.9 13.62,61.88 14,61.5 14,60 12.8,60
+1V8 on Top: 28.43,63.9 29.25,63.9 29.25,61.88 29.62,61.5 29.62,60 28.43,60
+1V8 on Top: 28.43,63.9 29.25,63.9 29.25,61.88 29.62,61.5 29.62,60 28.43,60
+1V8 on Top: 44.05,63.9 44.88,63.9 44.88,61.88 45.25,61.5 45.25,60 44.05,60
+1V8 on Top: 28.43,63.9 29.25,63.9 29.25,61.88 29.62,61.5 29.62,60 28.43,60
+1V8 on Top: 12.8,63.9 13.62,63.9 13.62,61.88 14,61.5 14,60 12.8,60
+1V8 on Top: 12.8,63.9 13.62,63.9 13.62,61.88 14,61.5 14,60 12.8,60
+1V8 on Top: 36.12,52.9 32.12,52.9 32.12,56.9 36.12,56.9
+1V8 on Bottom: 61,58 61,54.88 13.12,54.88 13.12,58
+3.3V on Top: 41.62,60.88 42,61.25 42,62.05 42.45,62.5 42.45,62.75 42.65,62.75 42.65,60 41.62,60
+3.3V on Top: 41.62,60.88 42,61.25 42,62.05 42.45,62.5 42.45,62.75 42.65,62.75 42.65,60 41.62,60
+3.3V on Top: 41.62,60.88 42,61.25 42,62.05 42.45,62.5 42.45,62.75 42.65,62.75 42.65,60 41.62,60
+3.3V on Top: 26,60.88 26.38,61.25 26.38,62.05 26.82,62.5 26.82,62.75 27.02,62.75 27.02,60 26,60
+3.3V on Top: 10.38,60.88 10.75,61.25 10.75,62.05 11.2,62.5 11.2,62.75 11.4,62.75 11.4,60 10.38,60
+3.3V on Top: 10.38,60.88 10.75,61.25 10.75,62.05 11.2,62.5 11.2,62.75 11.4,62.75 11.4,60 10.38,60
+3.3V on Top: 57.25,60.88 57.62,61.25 57.62,62.05 58.08,62.5 58.08,62.75 58.27,62.75 58.27,60 57.25,60
